# KiCad board anavi-macro-pad-12.kicad_pcb
title: ANAVI Macro Pad 12; date: 2023-01-29; rev: 1.0; company: ANAVI Technology Ltd.
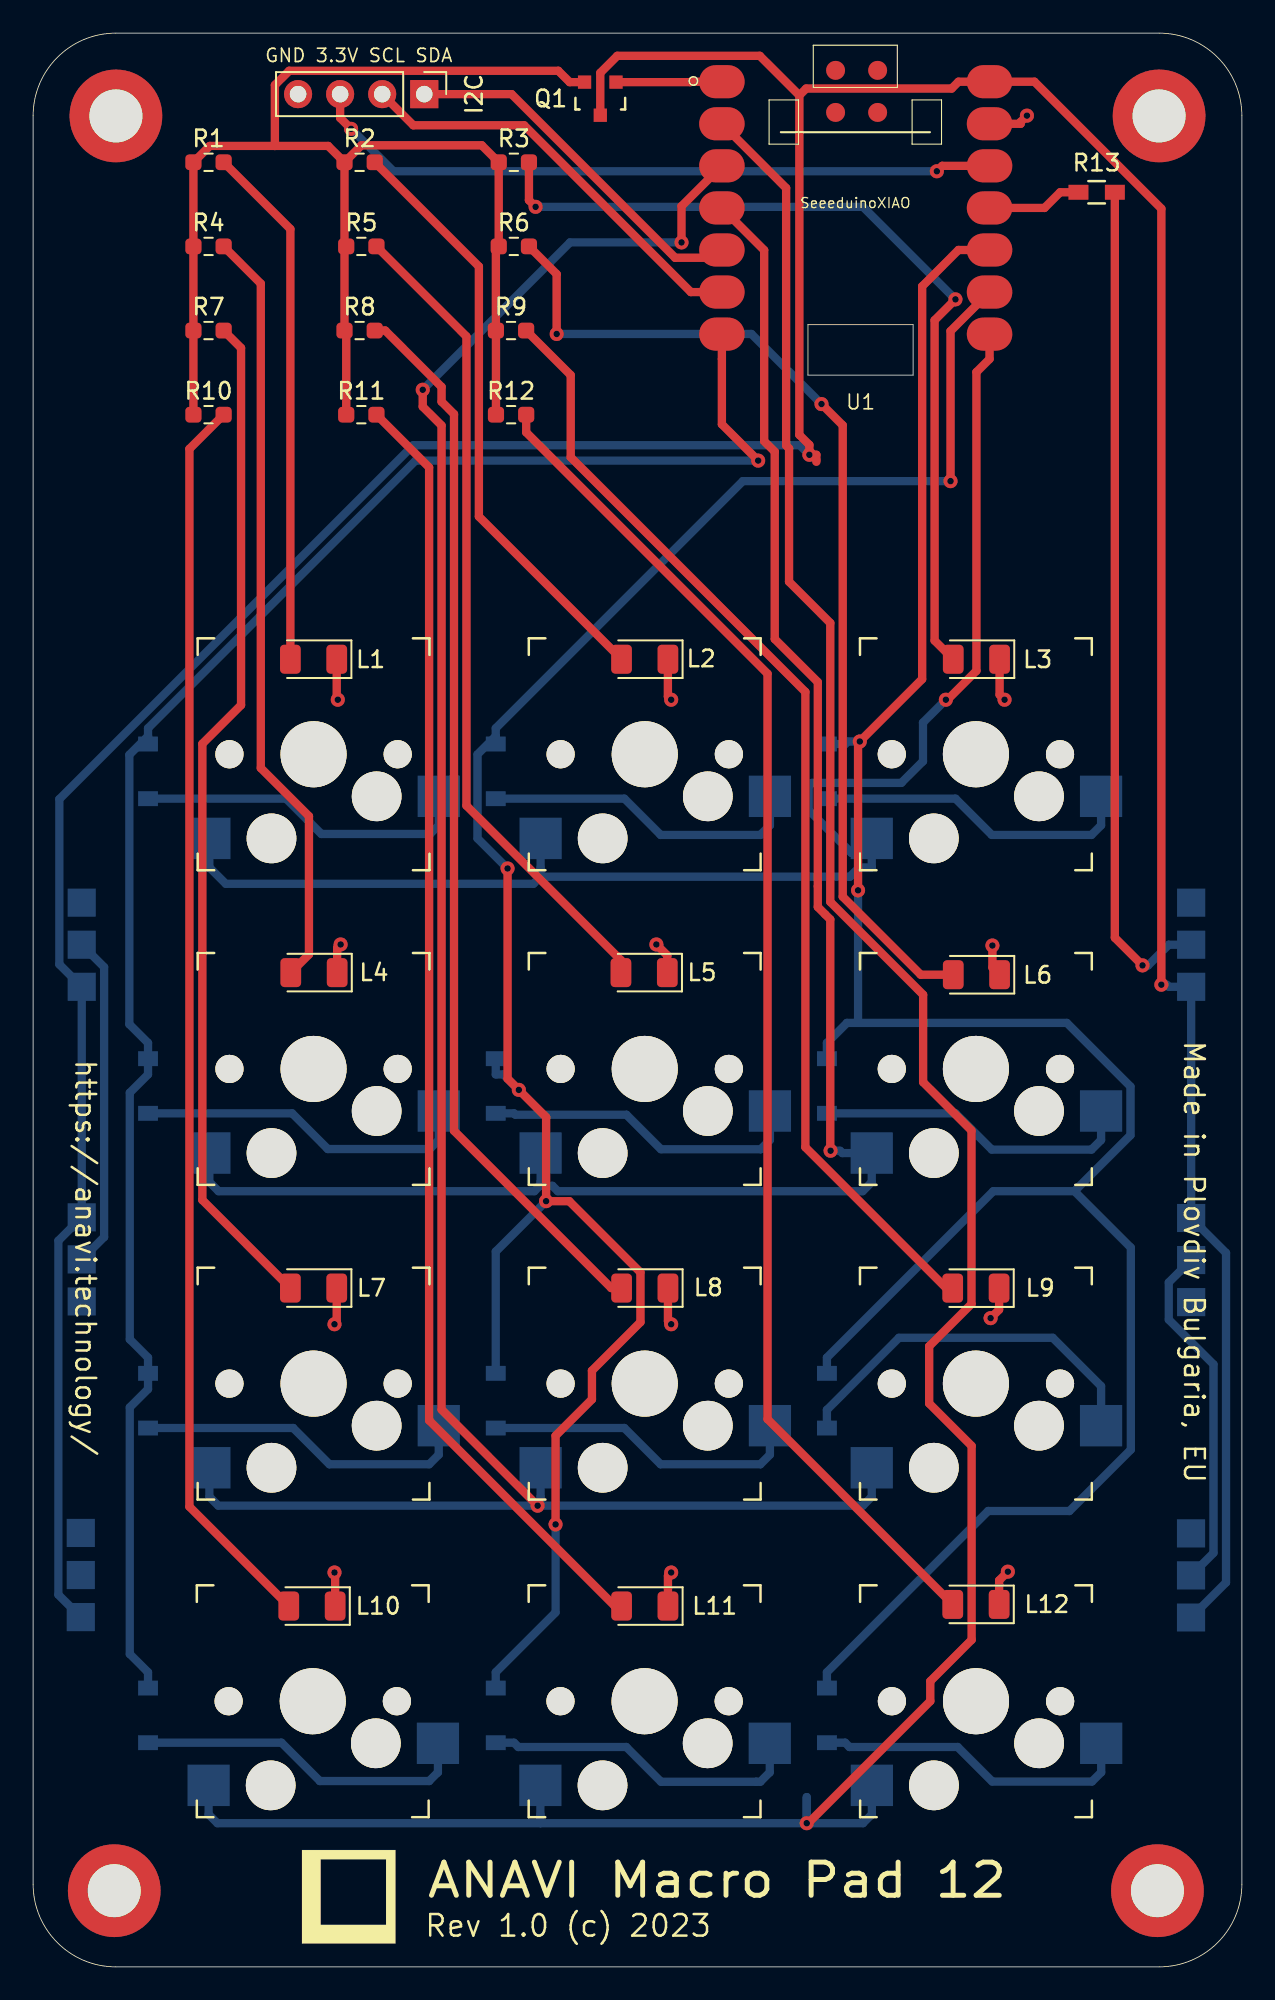
[diagram p0: board, top side]
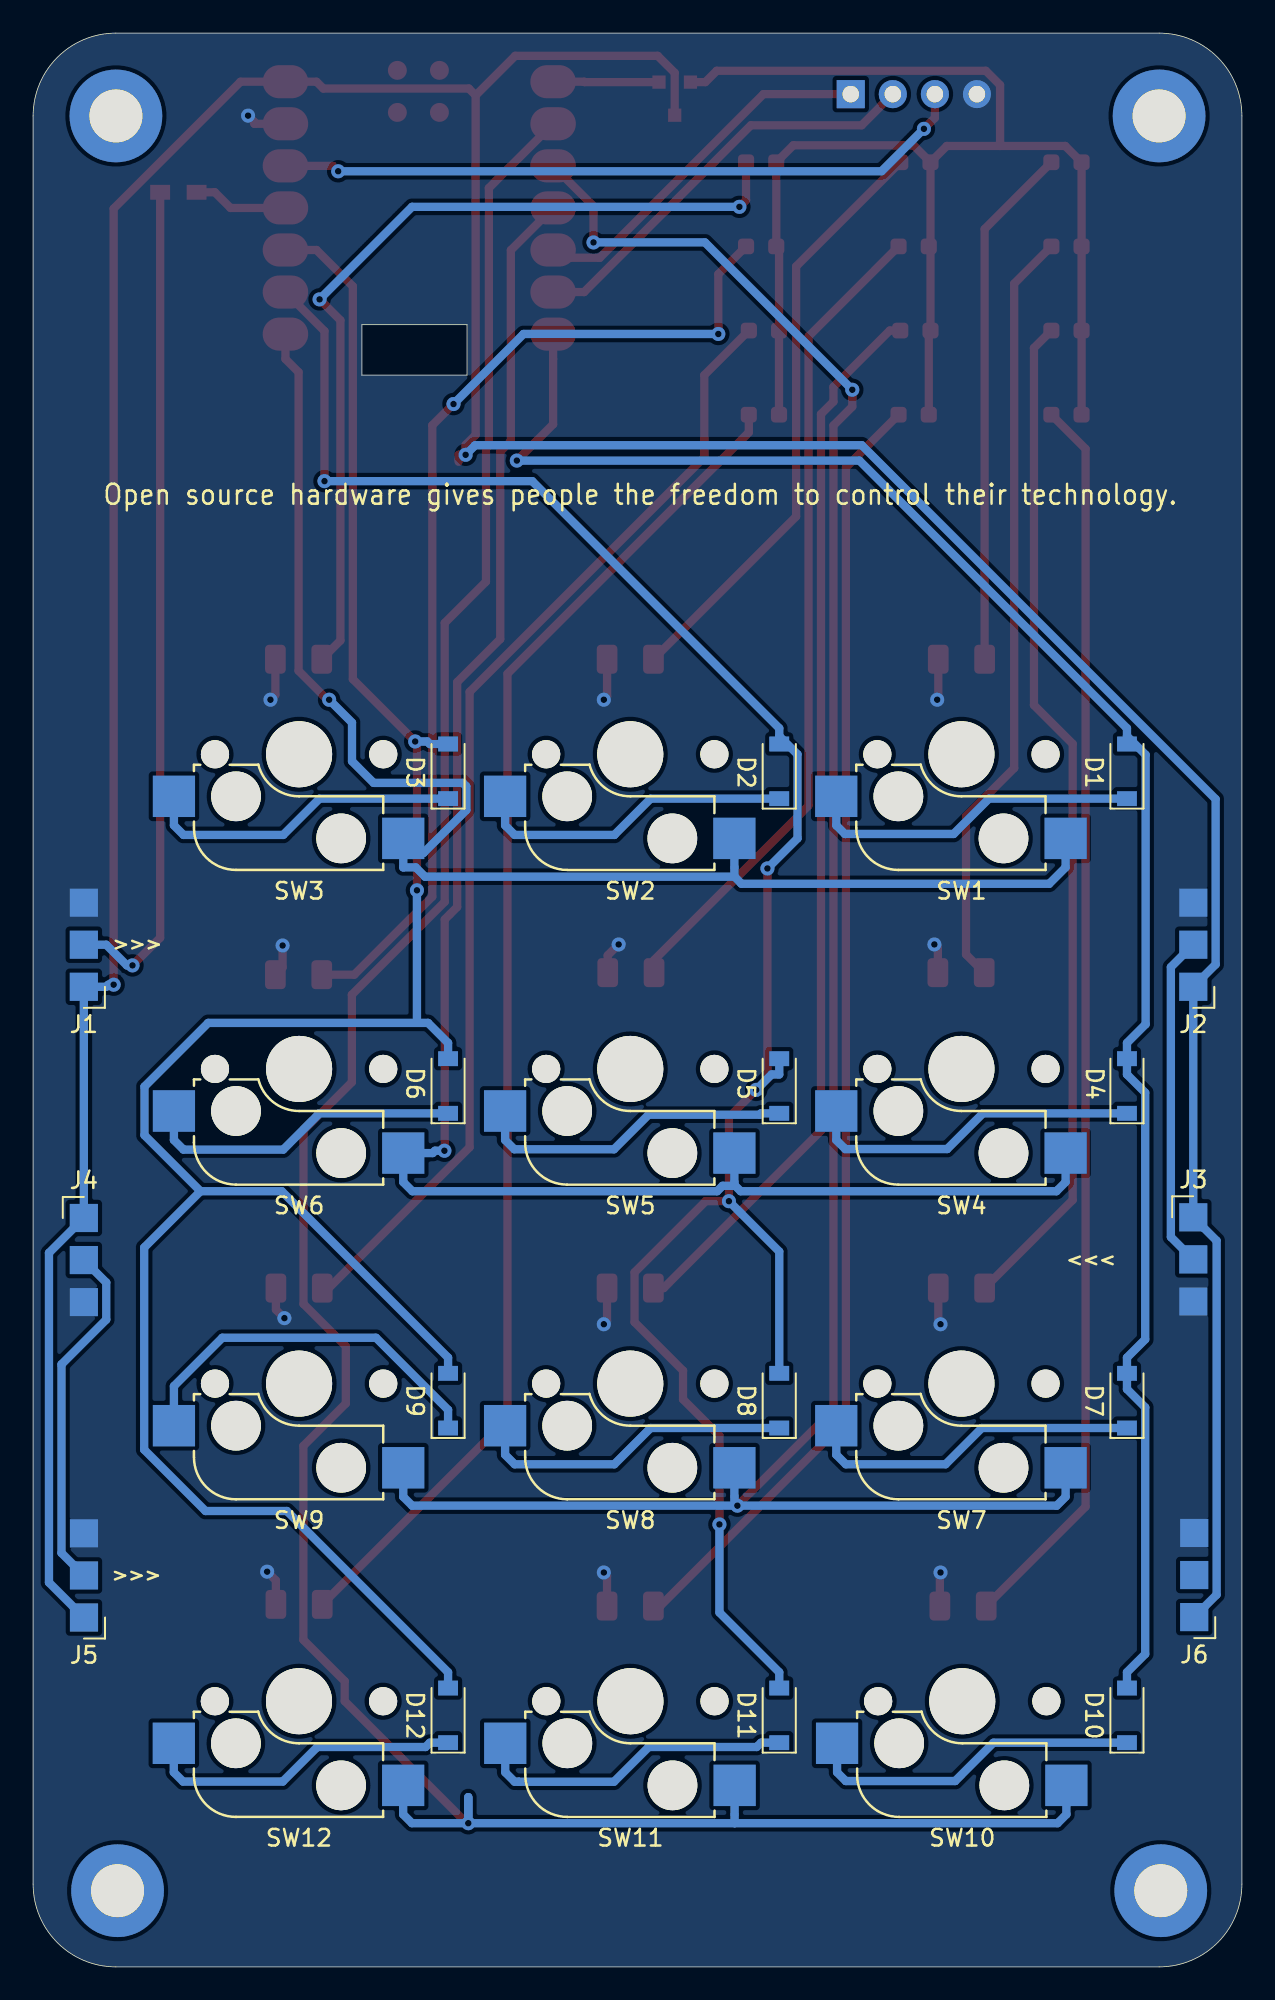
[diagram p1: board, bottom side, seen from below]

Outline 73 x 116.76 mm; copper layers: Top, Bottom. Coordinates in mm from the lower left corner of the outline.
Outline path: 0,111.76 arc(1.46,115.29) 5,116.76 68,116.76 arc(71.54,115.29) 73,111.76 73,5 arc(71.54,1.46) 68,0 5,0 arc(1.46,1.46) 0,5 0,111.76 ; 46.8,99.16 46.8,96.11 53.15,96.11 53.15,99.16 46.8,99.16
Stack: Top 0.035mm / dielectric 1.51mm FR4 er 4.5 / Bottom 0.035mm

## Placement (name value [footprint] x y rotation side)
D1  1N4148  [D_SOD-123]  6.94 72.19 90 bottom
D2  1N4148  [D_SOD-123]  27.94 72.19 90 bottom
D3  1N4148  [D_SOD-123]  47.94 72.19 90 bottom
D4  1N4148  [D_SOD-123]  6.94 53.19 90 bottom
D5  1N4148  [D_SOD-123]  27.94 53.19 90 bottom
D6  1N4148  [D_SOD-123]  47.94 53.19 90 bottom
D7  1N4148  [D_SOD-123]  6.94 34.19 90 bottom
D8  1N4148  [D_SOD-123]  27.94 34.19 90 bottom
D9  1N4148  [D_SOD-123]  47.94 34.19 90 bottom
D10  1N4148  [D_SOD-123]  6.94 15.19 90 bottom
D11  1N4148  [D_SOD-123]  27.94 15.19 90 bottom
D12  1N4148  [D_SOD-123]  47.94 15.19 90 bottom
G***  LOGO  [anavi-logo]  19.06 4.23 0 top
I2C  Conn_01x04_Female  [PinHeader_1x04_P2.54mm_Vertical]  23.62 113.07 270 top
J1  Conn_01x03_Male  [LedConnector_1x03_P2.54mm]  69.94 59.18 0 bottom
J2  Conn_01x03_Male  [LedConnector_1x03_P2.54mm]  2.94 59.18 0 bottom
J3  Conn_01x03_Male  [LedConnector_1x03_P2.54mm]  2.94 45.26 180 bottom
J4  Conn_01x03_Male  [LedConnector_1x03_P2.54mm]  69.94 45.22 180 bottom
J5  Conn_01x03_Male  [LedConnector_1x03_P2.54mm]  69.93 21.09 0 bottom
J6  Conn_01x03_Male  [LedConnector_1x03_P2.54mm]  2.88 21.12 0 bottom
L1  LED  [LED_1206_3216Metric]  16.94 78.96 180 top
L2  LED  [LED_1206_3216Metric]  36.94 78.96 180 top
L3  LED  [LED_1206_3216Metric]  56.97 78.96 180 top
L4  LED  [LED_1206_3216Metric]  16.96 60.03 180 top
L5  LED  [LED_1206_3216Metric]  36.9 60.03 180 top
L6  LED  [LED_1206_3216Metric]  56.97 59.91 180 top
L7  LED  [LED_1206_3216Metric]  16.94 40.99 180 top
L8  LED  [LED_1206_3216Metric]  36.94 40.99 180 top
L9  LED  [LED_1206_3216Metric]  56.94 40.98 180 top
L10  LED  [LED_1206_3216Metric]  16.84 21.79 180 top
L11  LED  [LED_1206_3216Metric]  36.94 21.79 180 top
L12  LED  [LED_1206_3216Metric]  56.94 21.89 180 top
MH1  -  [MountingHole_3.2mm_M3_DIN965_Pad]  5 111.76 0 top
MH2  MountingHole_3.2mm_M3_DIN965_Pad  [MountingHole_3.2mm_M3_DIN965_Pad#2]  68 111.76 0 top
MH3  MountingHole_3.2mm_M3_DIN965_Pad  [MountingHole_3.2mm_M3_DIN965_Pad#3]  67.9 4.6 0 top
Q1  Q_NPN_BEC  [SOT-23]  34.25 112.8 180 top
R1  68R  [R_0603_1608Metric_Pad0.98x0.95mm_HandSolder]  10.59 108.96 0 top
R2  68R  [R_0603_1608Metric_Pad0.98x0.95mm_HandSolder]  19.72 108.96 0 top
R3  68R  [R_0603_1608Metric_Pad0.98x0.95mm_HandSolder]  29.03 108.96 0 top
R4  68R  [R_0603_1608Metric_Pad0.98x0.95mm_HandSolder]  10.59 103.88 0 top
R5  68R  [R_0603_1608Metric_Pad0.98x0.95mm_HandSolder]  19.82 103.88 0 top
R6  68R  [R_0603_1608Metric_Pad0.98x0.95mm_HandSolder]  29.03 103.88 0 top
R7  68R  [R_0603_1608Metric_Pad0.98x0.95mm_HandSolder]  10.59 98.8 0 top
R8  68R  [R_0603_1608Metric_Pad0.98x0.95mm_HandSolder]  19.72 98.8 0 top
R9  68R  [R_0603_1608Metric_Pad0.98x0.95mm_HandSolder]  28.86 98.8 0 top
R10  68R  [R_0603_1608Metric_Pad0.98x0.95mm_HandSolder]  10.59 93.72 0 top
R11  68R  [R_0603_1608Metric_Pad0.98x0.95mm_HandSolder]  19.82 93.72 0 top
R12  68R  [R_0603_1608Metric_Pad0.98x0.95mm_HandSolder]  28.87 93.72 0 top
R13  470R  [R_0603_HandSoldering]  64.23 107.15 180 top
REF**  MountingHole_3.2mm_M3_DIN965_Pad  [MountingHole_3.2mm_M3_DIN965_Pad#4]  4.9 4.6 0 top
SW1  SW_DIP_x01  [Kailh_socket_MX]  16.94 73.22 180 top
SW2  SW_DIP_x01  [Kailh_socket_MX]  36.94 73.22 180 top
SW3  SW_DIP_x01  [Kailh_socket_MX]  56.94 73.22 180 top
SW4  SW_DIP_x01  [Kailh_socket_MX]  16.94 54.22 180 top
SW5  SW_DIP_x01  [Kailh_socket_MX]  36.94 54.22 180 top
SW6  SW_DIP_x01  [Kailh_socket_MX]  56.94 54.22 180 top
SW7  SW_DIP_x01  [Kailh_socket_MX]  16.94 35.22 180 top
SW8  SW_DIP_x01  [Kailh_socket_MX]  36.94 35.22 180 top
SW9  SW_DIP_x01  [Kailh_socket_MX]  56.94 35.22 180 top
SW10  SW_DIP_x01  [Kailh_socket_MX]  16.89 16.04 180 top
SW11  SW_DIP_x01  [Kailh_socket_MX]  36.93 16.04 180 top
SW12  SW_DIP_x01  [Kailh_socket_MX]  56.94 16.04 180 top
U1  SeeeduinoXIAO  [Seeeduino XIAO-MOUDLE14P-2.54-21X17.8MM]  40.76 95.71 0 top

## Footprints (pads in the part's own frame, mm; a bottom-side part is the same pattern mirrored in y, then rotated)
D_SOD-123
  rect 0.9x1.2 smd: 1(-1.65,0) 2(1.65,0)
Kailh_socket_MX
  round 1.702 hole 1.702 unplated: (-5.08,0) (5.08,0)
  round 3 hole 3 unplated: (-3.81,2.54) (2.54,5.08)
  round 3.988 hole 3.988 unplated: (0,0)
  rect 2.55x2.5 smd far side: 1(6.29,5.08) 2(-7.56,2.54)
LED_1206_3216Metric
  rrect 1.25x1.75 smd: 1(-1.4,0) 2(1.4,0)
LedConnector_1x03_P2.54mm
  rect 1.7x1.7 smd: 1(0,0) 2(0,-2.54) 3(0,-5.08)
MountingHole_3.2mm_M3_DIN965_Pad
  round 5.6 hole 3.2: 1(0,0)
MountingHole_3.2mm_M3_DIN965_Pad#2
  round 5.6 hole 3.2: 3(0,0)
MountingHole_3.2mm_M3_DIN965_Pad#3
  round 5.6 hole 3.2: 2(0,0)
MountingHole_3.2mm_M3_DIN965_Pad#4
  round 5.6 hole 3.2: 4(0,0)
PinHeader_1x04_P2.54mm_Vertical
  rect 1.7x1.7 hole 1: 1(0,0)
  oval 1.7x1.7 hole 1: 2(0,-2.54) 3(0,-5.08) 4(0,-7.62)
R_0603_1608Metric_Pad0.98x0.95mm_HandSolder
  rrect 0.975x0.95 smd: 1(-0.912,0) 2(0.912,0)
R_0603_HandSoldering
  rect 1.2x0.9 smd: 1(-1.1,0) 2(1.1,0)
Seeeduino XIAO-MOUDLE14P-2.54-21X17.8MM
  oval 2.748x1.999 smd: 1(0.833,18.118) 2(0.833,15.578) 3(0.833,13.038) 4(0.833,10.498) 5(0.833,7.958) 6(0.833,5.418) 7(0.833,2.878) 8(16.998,2.878) 9(16.998,5.418) 10(16.998,7.958) 11(16.998,10.498) 12(16.998,13.038) 13(16.998,15.578) 14(16.998,18.118)
  round 1.143 smd: 17(7.699,18.804) 18(10.239,18.804) 19(7.699,16.264) 20(10.239,16.264)
SOT-23
  rect 0.8x0.8 smd: 1(-0.95,-1.001) 2(0.95,-1.001) 3(0,0.998)

## Nets
+3V3: I2C.3 U1.12
+5V: J1.1 J2.1 J3.1 J4.1 J5.1 J6.1 Q1.3 U1.14
GND: I2C.4 J1.3 J2.3 J3.3 J4.3 J5.3 J6.3 L1.1 L2.1 L3.1 L4.1 L5.1 L6.1 L7.1 L8.1 L9.1 L10.1 L11.1 L12.1 U1.13
Net-(D1-Pad1): D1.1 SW1.2
Net-(D1-Pad2): D1.2 D4.2 D7.2 D10.2 U1.7
Net-(D2-Pad1): D2.1 SW2.2
Net-(D3-Pad1): D3.1 SW3.2
Net-(D4-Pad1): D4.1 SW4.2
Net-(D5-Pad1): D5.1 SW5.2
Net-(D6-Pad1): D6.1 SW6.2
Net-(D7-Pad1): D7.1 SW7.2
Net-(D8-Pad1): D8.1 SW8.2
Net-(D9-Pad1): D9.1 SW9.2
Net-(D10-Pad1): D10.1 SW10.2
Net-(D11-Pad1): D11.1 SW11.2
Net-(D11-Pad2): D2.2 D5.2 D8.2 D11.2 U1.9
Net-(D12-Pad1): D12.1 SW12.2
Net-(D12-Pad2): D3.2 D6.2 D9.2 D12.2 U1.10
Net-(I2C1-Pad1): I2C.1 U1.5
Net-(I2C1-Pad2): I2C.2 U1.6
Net-(J1-Pad2): J1.2 R13.1
Net-(J2-Pad2): J2.2 J3.2
Net-(J4-Pad2): J4.2 J5.2
Net-(L1-Pad2): L1.2 R1.2
Net-(L2-Pad2): L2.2 R2.2
Net-(L3-Pad2): L3.2 R3.2
Net-(L4-Pad2): L4.2 R4.2
Net-(L5-Pad2): L5.2 R5.2
Net-(L6-Pad2): L6.2 R6.2
Net-(L7-Pad2): L7.2 R7.2
Net-(L8-Pad2): L8.2 R8.2
Net-(L9-Pad2): L9.2 R9.2
Net-(L10-Pad2): L10.2 R10.2
Net-(L11-Pad2): L11.2 R11.2
Net-(L12-Pad2): L12.2 R12.2
Net-(Q1-Pad1): Q1.1 U1.1
Net-(Q1-Pad2): Q1.2 R1.1 R2.1 R3.1 R4.1 R5.1 R6.1 R7.1 R8.1 R9.1 R10.1 R11.1 R12.1
Net-(R13-Pad2): R13.2 U1.11
Net-(SW1-Pad1): SW1.1 SW2.1 SW3.1 U1.8
Net-(SW4-Pad1): SW4.1 SW5.1 SW6.1 U1.4
Net-(SW7-Pad1): SW7.1 SW8.1 SW9.1 U1.3
Net-(SW10-Pad1): SW10.1 SW11.1 SW12.1 U1.2

Pads without a net: J6 2; MH1 1; MH2 3; MH3 2; REF** 4; U1 17 18 19 20

## Via types
v1: diameter 0.85, hole 0.4, Top to Bottom, 36 vias

## Routing (per net, layer and track width the routed paths; a pad name or vN(x,y) marks a point on that pad's centre or on a via; arc(x,y) is an arc through that point)
+3V3: length 42.1
  Top w0.5: v1(19.2,110.98) 18.54,111.64 I2C.3 ; v1(54.58,108.42) 54.9,108.74 U1.12
  Bottom w0.5: v1(54.58,108.42) 21.76,108.42 v1(19.2,110.98)
+5V: length 258.2
  Top w0.5: 46.27,113 46.27,92.5 46.88,91.89 v1(46.88,91.3) 47.3,91.3 47.3,90.88 ; 46.27,113 43.89,115.39 35.28,115.39 34.25,114.36 34.25,111.8 ; 46.27,113 46.69,113.41 55.47,113.41 55.89,113.82 U1.14 60.47,113.82 68.14,106.16 v1(68.14,59.3)
  Bottom w0.5: J6.1 1.53,22.47 1.53,43.85 J3.1 J2.1 1.58,60.53 1.58,70.51 22.95,91.88 46.3,91.88 v1(46.88,91.3) ; J5.1 72.04,23.21 72.04,43.11 J4.1 J1.1 68.58,59.18 68.46,59.3 v1(68.14,59.3)
GND: length 29.2
  Top w0.5: v1(18.2,38.8) 18.34,38.94 L7.1 ; v1(18.57,61.73) 18.47,61.63 v1(18.57,61.73) ; v1(18.57,61.73) 18.36,61.52 L4.1 ; L11.1 38.34,23.62 v1(38.53,23.81) ; 18.34,76.57 L1.1 ; 18.34,76.57 v1(18.4,76.51) ; 18.34,76.57 v1(18.4,76.51) ; 18.34,76.57 v1(18.4,76.51) ; L8.1 38.34,39 v1(38.53,38.8) ; v1(58.67,76.51) 58.37,76.81 L3.1 ; v1(18.2,23.81) 18.24,23.77 L10.1 ; U1.13 59.64,111.28 59.64,111.4 v1(60.02,111.78) ; L9.1 58.34,39.68 v1(57.82,39.17) ; L5.1 38.3,61.07 v1(37.64,61.73) ; L2.1 38.34,76.71 v1(38.53,76.51) ; v1(57.93,61.67) 57.93,60.34 L6.1 ; v1(58.87,23.86) 58.34,23.33 L12.1
Net-(D1-Pad1): length 20.4
  Bottom w0.5: SW1.2 24.5,68.93 23.97,68.4 17.41,68.4 15.28,70.54 D1.1
Net-(D1-Pad2): length 113.3
  Top w0.5: v1(43.79,90.95) 41.6,93.14 U1.7
  Bottom w0.5: D1.2 6.94,74.31 ; 6.94,74.31 6.94,74.79 23.1,90.95 v1(43.79,90.95) 43.79,90.95 43.79,90.95 ; 6.94,74.31 5.81,73.18 5.81,56.92 6.94,55.79 D4.2 6.94,53.88 5.84,52.78 5.84,37.89 6.94,36.79 D7.2 6.94,34.88 5.84,33.78 5.84,18.89 6.94,17.79 D10.2
Net-(D2-Pad1): length 19.5
  Bottom w0.5: SW2.2 44.5,68.93 43.92,68.35 37.9,68.35 35.71,70.54 D2.1
Net-(D3-Pad1): length 19.5
  Bottom w0.5: SW3.2 64.5,68.93 63.92,68.35 57.9,68.35 55.71,70.54 D3.1
Net-(D4-Pad1): length 20.4
  Bottom w0.5: SW4.2 24.5,49.93 23.95,49.38 17.8,49.38 15.64,51.54 D4.1
Net-(D5-Pad1): length 19.4
  Bottom w0.5: D5.1 29.04,51.54 29.12,51.45 35.83,51.45 37.92,49.37 43.94,49.37 44.5,49.93 SW5.2
Net-(D6-Pad1): length 19.5
  Bottom w0.5: SW6.2 64.5,49.93 63.92,49.35 57.9,49.35 55.71,51.54 D6.1
Net-(D7-Pad1): length 20.5
  Bottom w0.5: D7.1 15.71,32.54 17.9,30.35 23.92,30.35 24.5,30.93 SW7.2
Net-(D8-Pad1): length 19.5
  Bottom w0.5: SW8.2 44.5,30.93 43.92,30.35 37.9,30.35 35.71,32.54 D8.1
Net-(D9-Pad1): length 23.1
  Bottom w0.5: SW9.2 64.5,35.06 61.58,37.98 52.29,37.98 47.94,33.63 D9.1
Net-(D10-Pad1): length 20.4
  Bottom w0.5: SW10.2 24.45,11.75 23.92,11.22 17.31,11.22 15,13.54 D10.1
Net-(D11-Pad1): length 19.5
  Bottom w0.5: SW11.2 44.49,11.75 43.92,11.18 43.68,11.18 43.68,11.18 37.92,11.18 35.82,13.28 29.3,13.28 29.04,13.54 D11.1
Net-(D11-Pad2): length 127.8
  Top w0.5: v1(31.55,26.72) 31.55,32.07 33.75,34.27 33.75,36 36.68,38.93 36.68,41.93 32.38,46.23 v1(30.98,46.23) 30.98,51.3 v1(29.33,52.95) 28.65,53.63 v1(28.65,66.32) ; v1(55.4,89.71) 55.4,98.77 U1.9
  Bottom w0.5: v1(55.4,89.71) 42.86,89.71 27.94,74.79 27.94,74.31 ; v1(29.33,52.95) 28.4,53.88 27.94,53.88 D5.2 ; D2.2 27.94,74.31 ; 27.94,74.31 26.84,73.21 26.84,68.14 v1(28.65,66.32) ; v1(30.98,46.23) 27.94,43.19 D8.2 ; v1(31.55,26.72) 31.55,21.4 27.94,17.79 D11.2
Net-(D12-Pad1): length 19.5
  Bottom w0.5: SW12.2 64.5,11.75 63.95,11.19 57.92,11.19 55.84,13.28 49.3,13.28 49.04,13.54 D12.1
Net-(D12-Pad2): length 144.2
  Top w0.5: U1.10 55.89,103.66 53.69,101.47 53.69,77.75 v1(49.93,73.99) 49.82,73.88 v1(49.82,65)
  Bottom w0.5: D3.2 49.04,73.84 49.19,73.99 v1(49.93,73.99) ; 49.82,57 49.15,57 47.94,55.79 D6.2 ; 49.82,57 v1(49.82,65) ; 49.82,57 62.43,57 66.27,53.15 66.27,50.22 62.89,46.83 ; 62.89,46.83 57.99,46.83 47.94,36.79 D9.2 ; 62.89,46.83 66.29,43.43 66.29,31.23 62.59,27.53 57.68,27.53 47.94,17.79 D12.2
Net-(I2C1-Pad1): length 22.3
  Top w0.5: U1.5 41.13,103.19 38.77,103.19 28.89,113.07 I2C.1
Net-(I2C1-Pad2): length 25.5
  Top w0.5: U1.6 39.72,101.12 29.65,111.19 22.96,111.19 I2C.2
Net-(J1-Pad2): length 50.8
  Top w0.5: R13.1 65.33,62.14 v1(67,60.47)
  Bottom w0.5: v1(67,60.47) 67.34,60.47 68.58,61.72 J1.2
Net-(J2-Pad2): length 20.1
  Bottom w0.5: J2.2 4.29,60.37 4.29,44.07 J3.2
Net-(J4-Pad2): length 21.3
  Bottom w0.5: J4.2 68.58,41.33 68.58,39.08 71.29,36.38 71.29,24.99 J5.2
Net-(L1-Pad2): length 31.7
  Top w0.5: R1.2 15.54,104.93 L1.2
Net-(L2-Pad2): length 36.2
  Top w0.5: R2.2 26.92,102.67 26.92,87.57 L2.2
Net-(L3-Pad2): length 53.2
  Top w0.5: v1(30.35,106.27) 29.94,106.67 R3.2 ; L3.2 54.44,80.08 54.44,99.42 v1(55.7,100.68)
  Bottom w0.5: v1(30.35,106.27) 50.11,106.27 v1(55.7,100.68)
Net-(L4-Pad2): length 46.4
  Top w0.5: R4.2 13.75,101.63 13.75,72.38 16.66,69.47 16.66,61.13 L4.2
Net-(L5-Pad2): length 50
  Top w0.5: L5.2 35.5,60.79 26.17,70.12 26.17,98.44 R5.2
Net-(L6-Pad2): length 62.6
  Top w0.5: v1(47.61,94.36) 48.89,93.08 48.89,64.62 53.61,59.91 L6.2 ; R6.2 31.62,102.2 v1(31.62,98.59)
  Bottom w0.5: v1(31.62,98.59) 43.38,98.59 v1(47.61,94.36)
Net-(L7-Pad2): length 61.4
  Top w0.5: L7.2 10.22,46.3 10.22,73.85 12.56,76.18 12.56,97.75 R7.2
Net-(L8-Pad2): length 64.7
  Top w0.5: R8.2 21.26,98.8 24.67,95.4 24.67,94.51 25.42,93.75 25.42,50.48 34.92,40.99 L8.2
Net-(L9-Pad2): length 68.7
  Top w0.5: R9.2 32.47,96.11 32.47,91.15 46.64,76.98 46.64,49.49 55.15,40.98 L9.2
Net-(L10-Pad2): length 75.3
  Top w0.5: R10.2 9.44,91.65 9.44,27.79 L10.2
Net-(L11-Pad2): length 78.3
  Top w0.5: R11.2 23.91,90.54 23.91,33 35.13,21.79 L11.2
Net-(L12-Pad2): length 82.5
  Top w0.5: L12.2 44.35,33.07 44.35,78.08 29.78,92.65 29.78,93.72
Net-(Q1-Pad1): length 6.4
  Top w0.5: Q1.1 39.7,113.8 39.72,113.82 U1.1
Net-(Q1-Pad2): length 89
  Top w0.5: R12.1 27.95,98.8 R9.1 27.95,103.71 R6.1 R3.1 27.09,109.99 19.83,109.99 R2.1 ; 14.6,109.95 10.67,109.95 R1.1 R4.1 R7.1 R10.1 ; 14.6,109.95 14.6,113.62 15.46,114.48 31.72,114.48 32.4,113.8 Q1.2 ; 14.6,109.95 17.82,109.95 R2.1 ; R2.1 18.81,103.98 R5.1 18.81,103.78 R8.1 18.91,98.7 R11.1
Net-(R13-Pad2): length 5.8
  Top w0.5: R13.2 62.03,107.15 61.08,106.2 U1.11
Net-(SW1-Pad1): length 88
  Top w0.5: v1(55.12,76.51) 55.22,76.51 56.97,78.26 56.97,96.29 57.76,97.08 U1.8
  Bottom w0.5: 30.65,65.82 30.22,65.39 11.64,65.39 10.65,66.39 SW1.1 ; 30.65,65.82 49.33,65.82 49.89,66.39 50.65,66.39 50.65,67.26 ; 30.65,65.82 SW2.1 ; SW3.1 50.65,67.26 ; 50.65,67.26 49.42,67.26 46.84,69.84 46.84,71.28 47.05,71.49 52.43,71.49 53.74,72.8 53.74,75.13 v1(55.12,76.51)
Net-(SW4-Pad1): length 108.4
  Top w0.5: U1.4 44.15,103.65 44.15,92.12 44.79,91.48 44.79,80.17 47.39,77.57 47.39,63.99 48.14,63.24 48.14,49.3 v1(48.16,49.28)
  Bottom w0.5: 30.65,47.16 SW5.1 ; 30.65,47.16 30.6,47.16 30.27,46.83 11.2,46.83 10.65,47.39 SW4.1 ; 30.65,47.16 31.36,47.16 31.69,46.83 50.09,46.83 50.65,47.39 SW6.1 48.87,49.14 48.73,49.28 v1(48.16,49.28)
Net-(SW7-Pad1): length 141.5
  Top w0.5: v1(23.53,95.23) 23.53,94.21 24.67,93.07 24.67,33.65 v1(30.47,27.85) 30.47,27.75 ; v1(39.16,104.12) 39.16,106.31 U1.3
  Bottom w0.5: 30.65,27.85 SW8.1 ; 30.65,27.85 50.11,27.85 50.65,28.39 SW9.1 ; 30.65,27.85 v1(30.47,27.85) 11.18,27.85 10.65,28.39 SW7.1 ; v1(23.53,95.23) 32.42,104.12 v1(39.16,104.12)
Net-(SW10-Pad1): length 164.6
  Top w0.5: U1.2 45.48,107.41 45.48,91.86 45.65,91.68 45.65,83.63 48.14,81.15 48.14,64.31 53.75,58.7 53.75,53.42 56.67,50.5 56.67,40.03 54.11,37.47 54.11,34.02 56.68,31.45 56.68,19.75 54.18,17.25 54.18,16.05 46.81,8.67 v1(46.72,8.67)
  Bottom w0.5: SW11.1 30.64,8.67 ; v1(46.72,8.67) 50.12,8.67 50.65,9.21 SW12.1 ; v1(46.72,8.67) 46.72,10.25 v1(46.72,8.67) ; v1(46.72,8.67) 30.64,8.67 ; 30.64,8.67 11.13,8.67 10.6,9.21 SW10.1

## Copper pours and planes (outline as drawn; the poured copper is in the pictures)
GND on Bottom: 0,116.75 73,116.75 73,0.05 0,0.05

## Text on the board
B.Silkscreen: <<< | Open source hardware gives people the freedom to control their technology.
F.Courtyard: fafs
F.Fab: KP-3216YC | BC817
F.Silkscreen: GND 3.3V SCL SDA | https://anavi.technology/ | Made in Plovdiv Bulgaria, EU | Rev 1.0 (c) 2023 | ANAVI Macro Pad 12
